# Altium PCB oysm_Keyboard.PcbDoc (part 1 of 2)
Units mm, origin at the board's own origin, x right, y up, seen from the top; angles counter-clockwise.
Board outline 76.2 x 76.28 mm, 2 copper layers (Top Layer, Bottom Layer); 115 components, 123 nets, 500 pads, 467 vias.
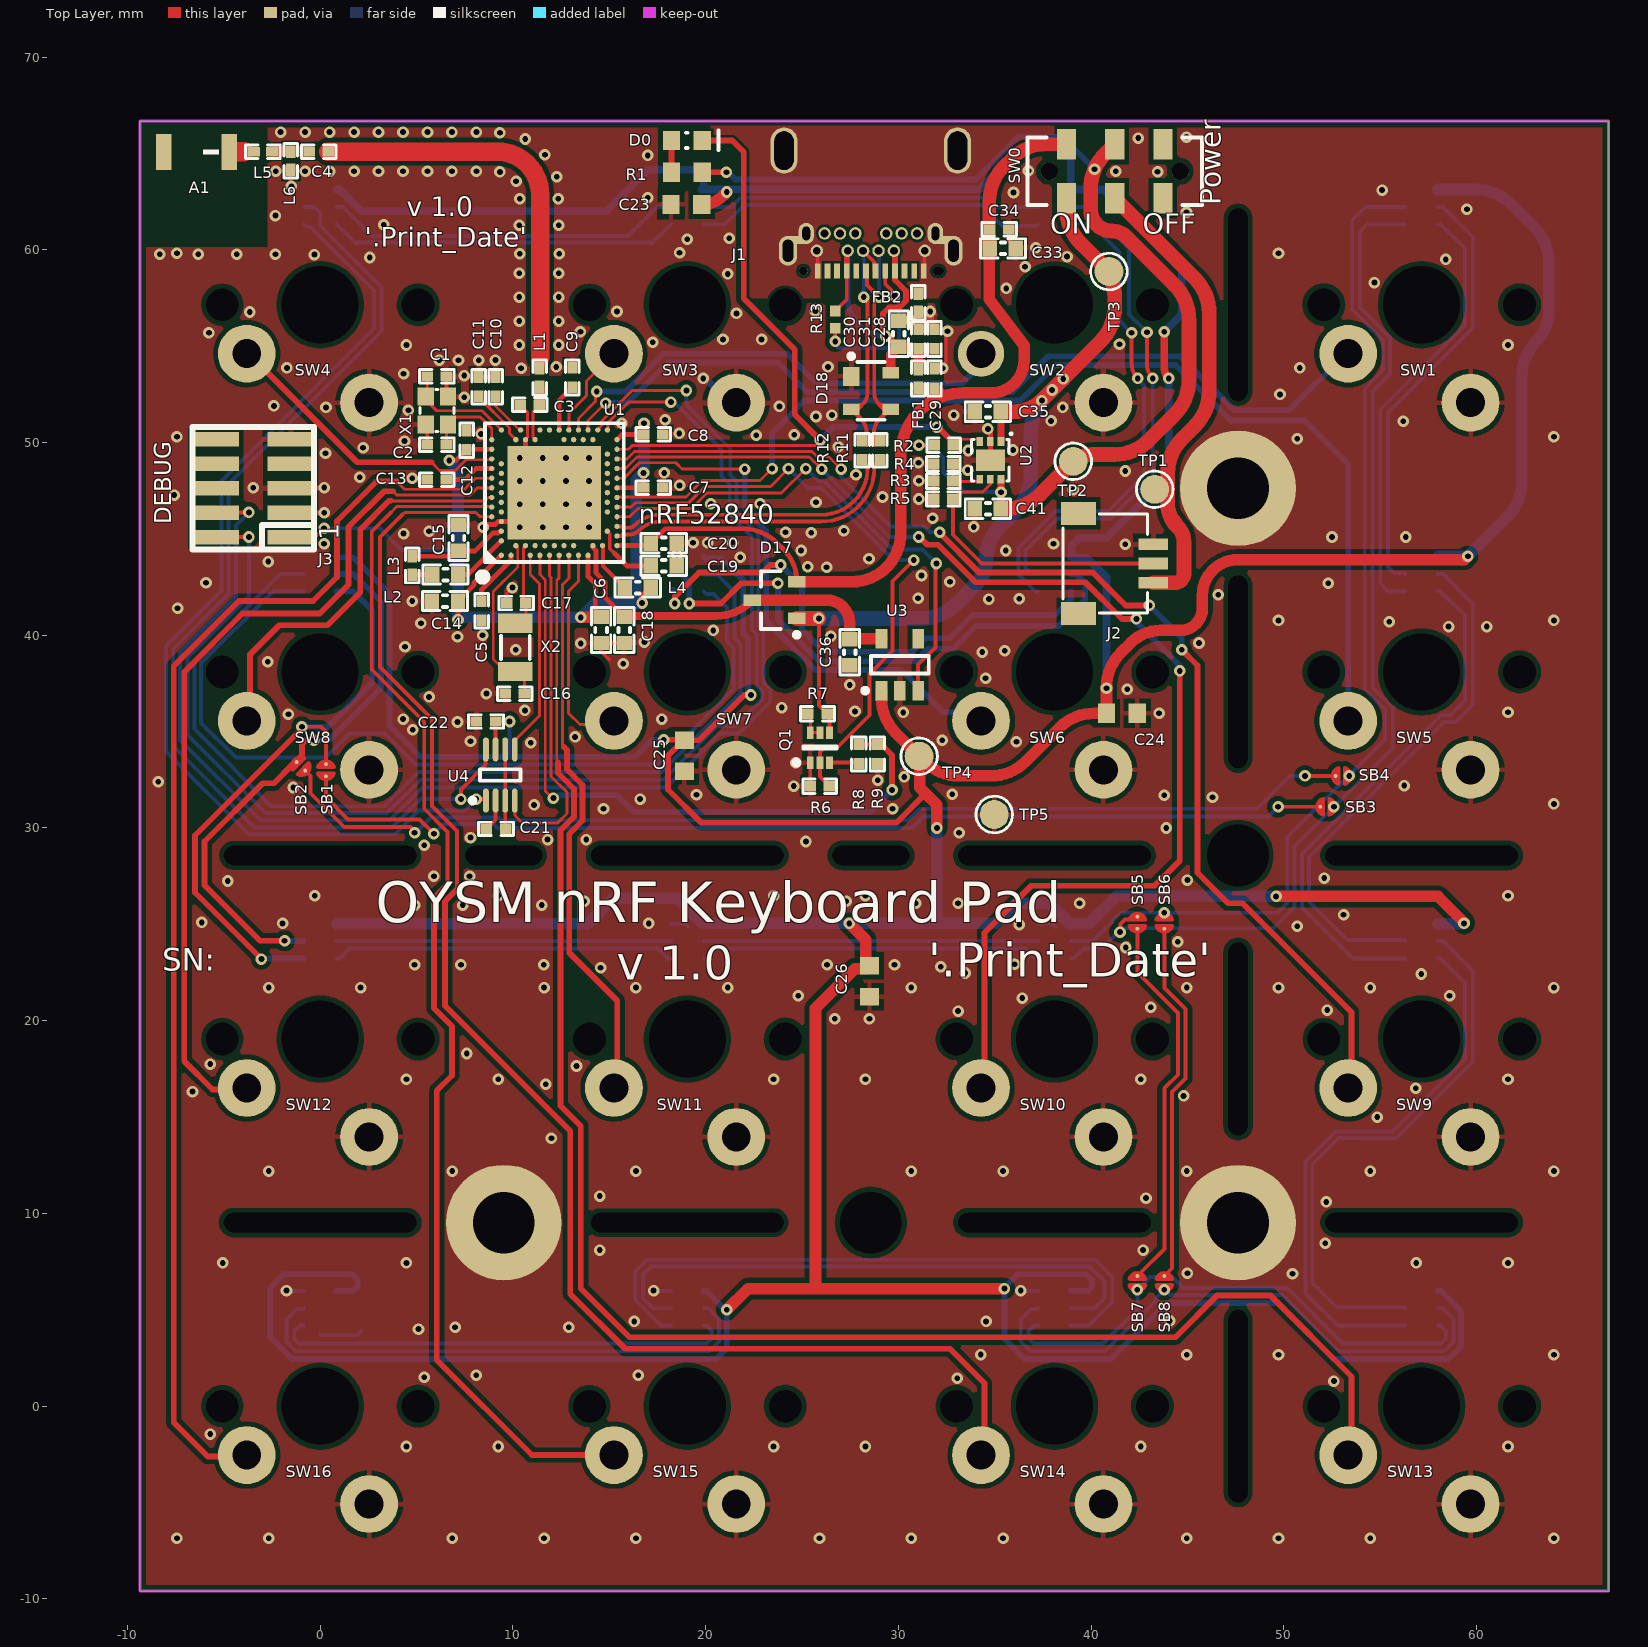
[diagram p0: Top Layer view]
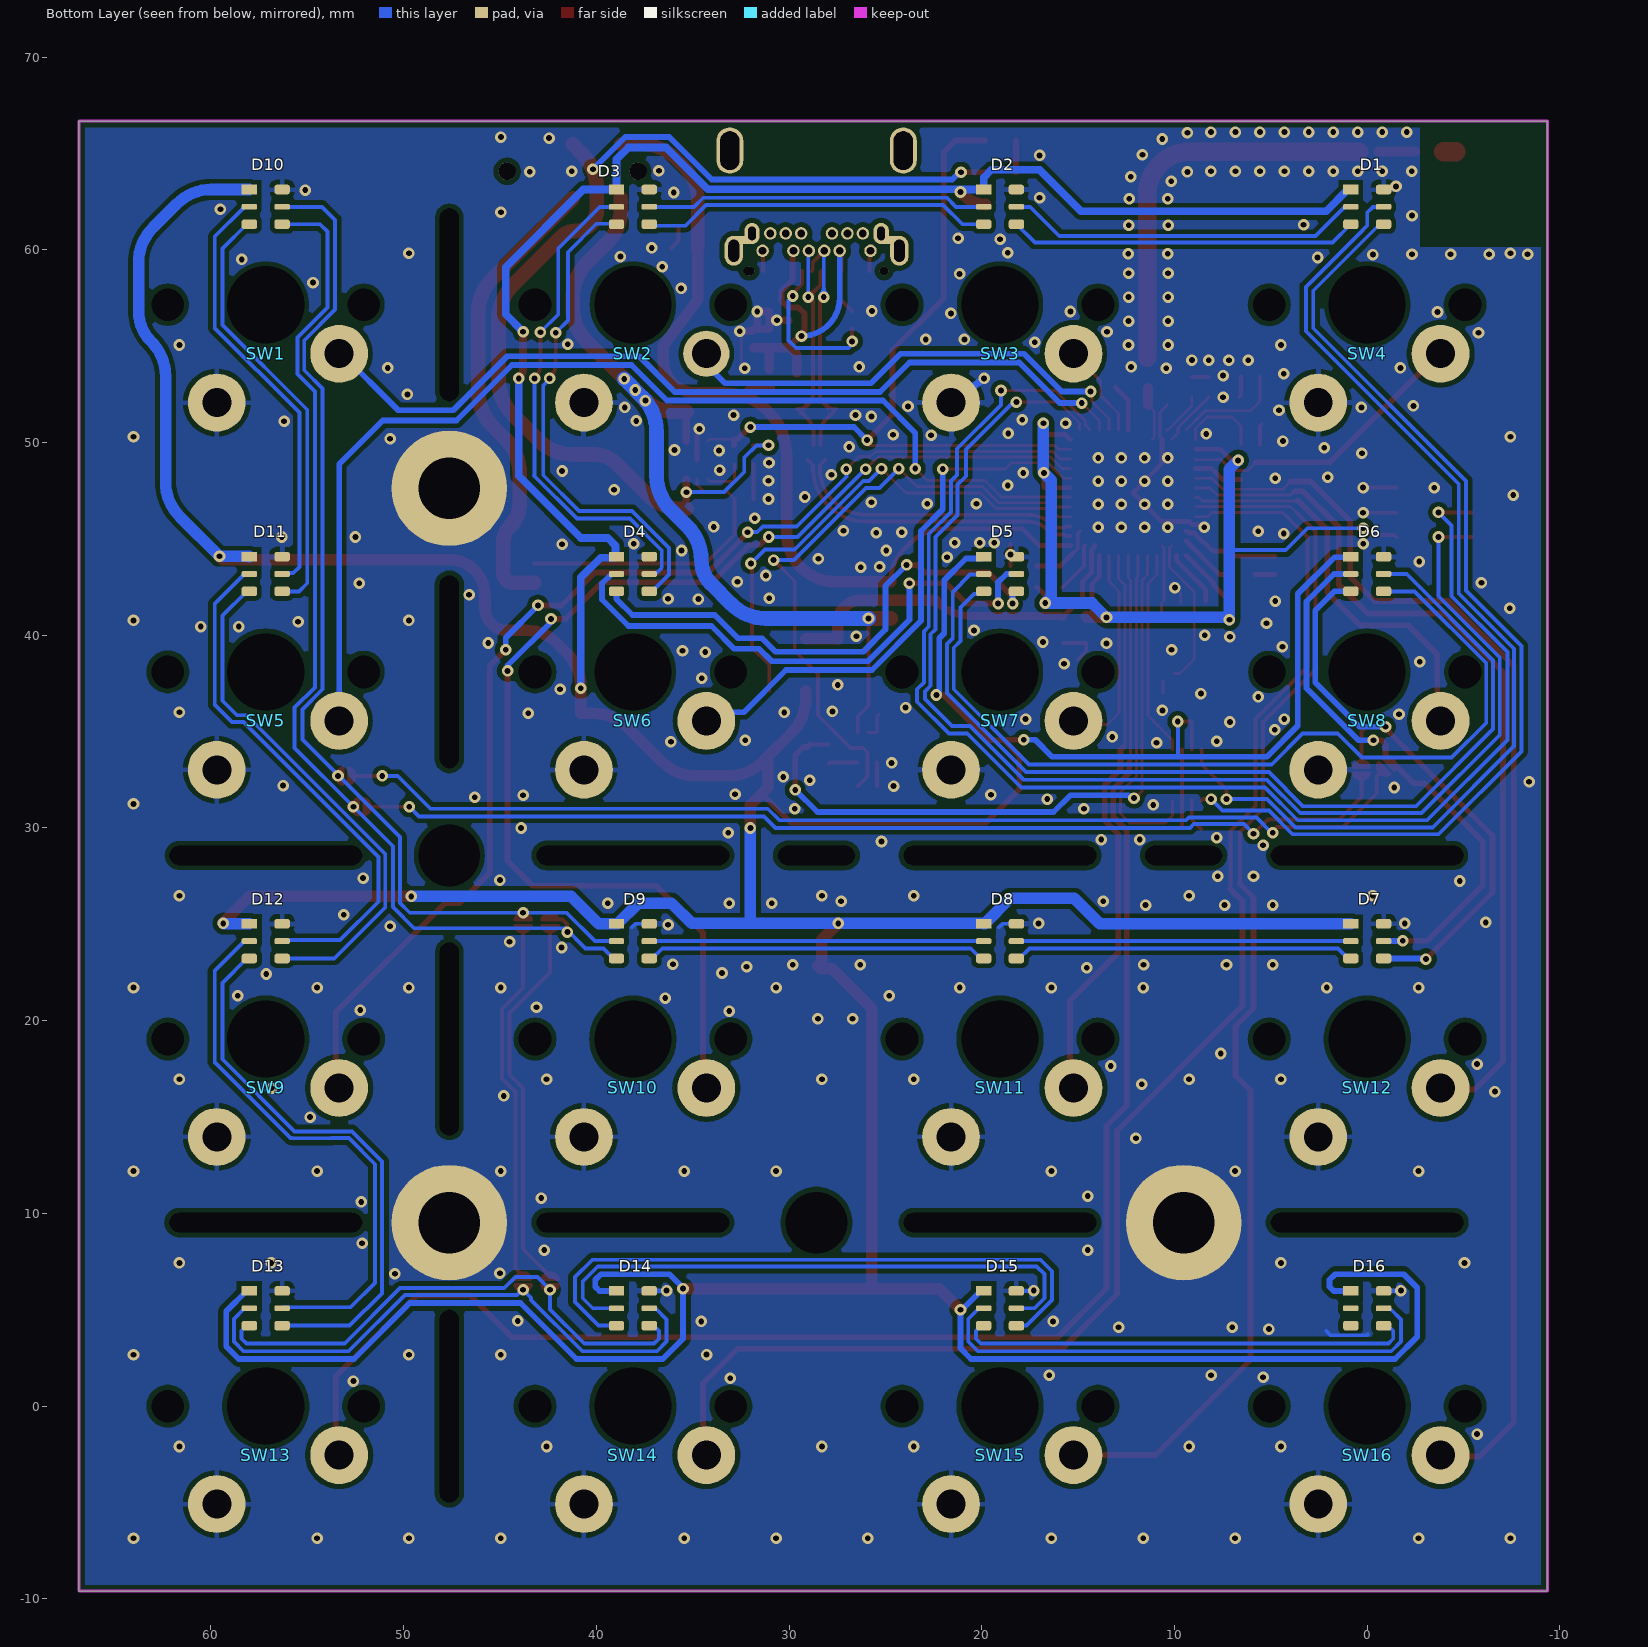
[diagram p1: Bottom Layer view, seen from below]
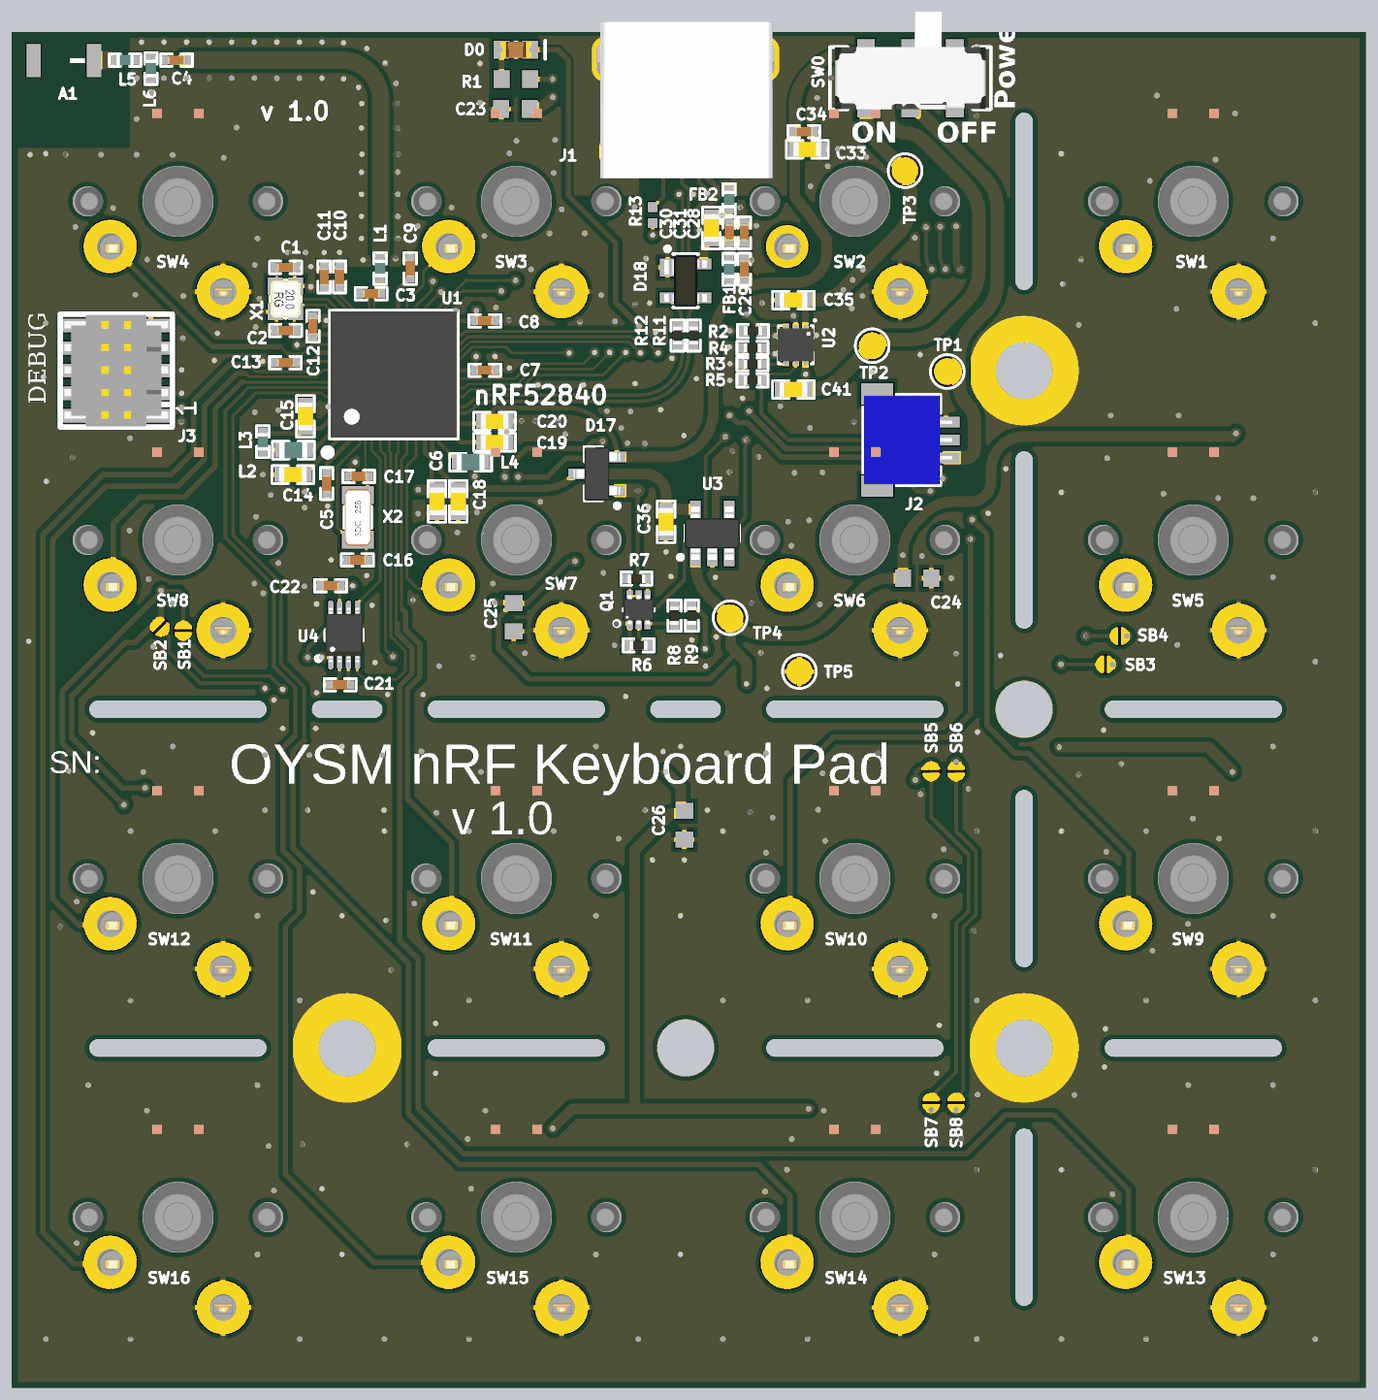
[diagram p3: 3D render of the assembled board from above, using the file's embedded part models]
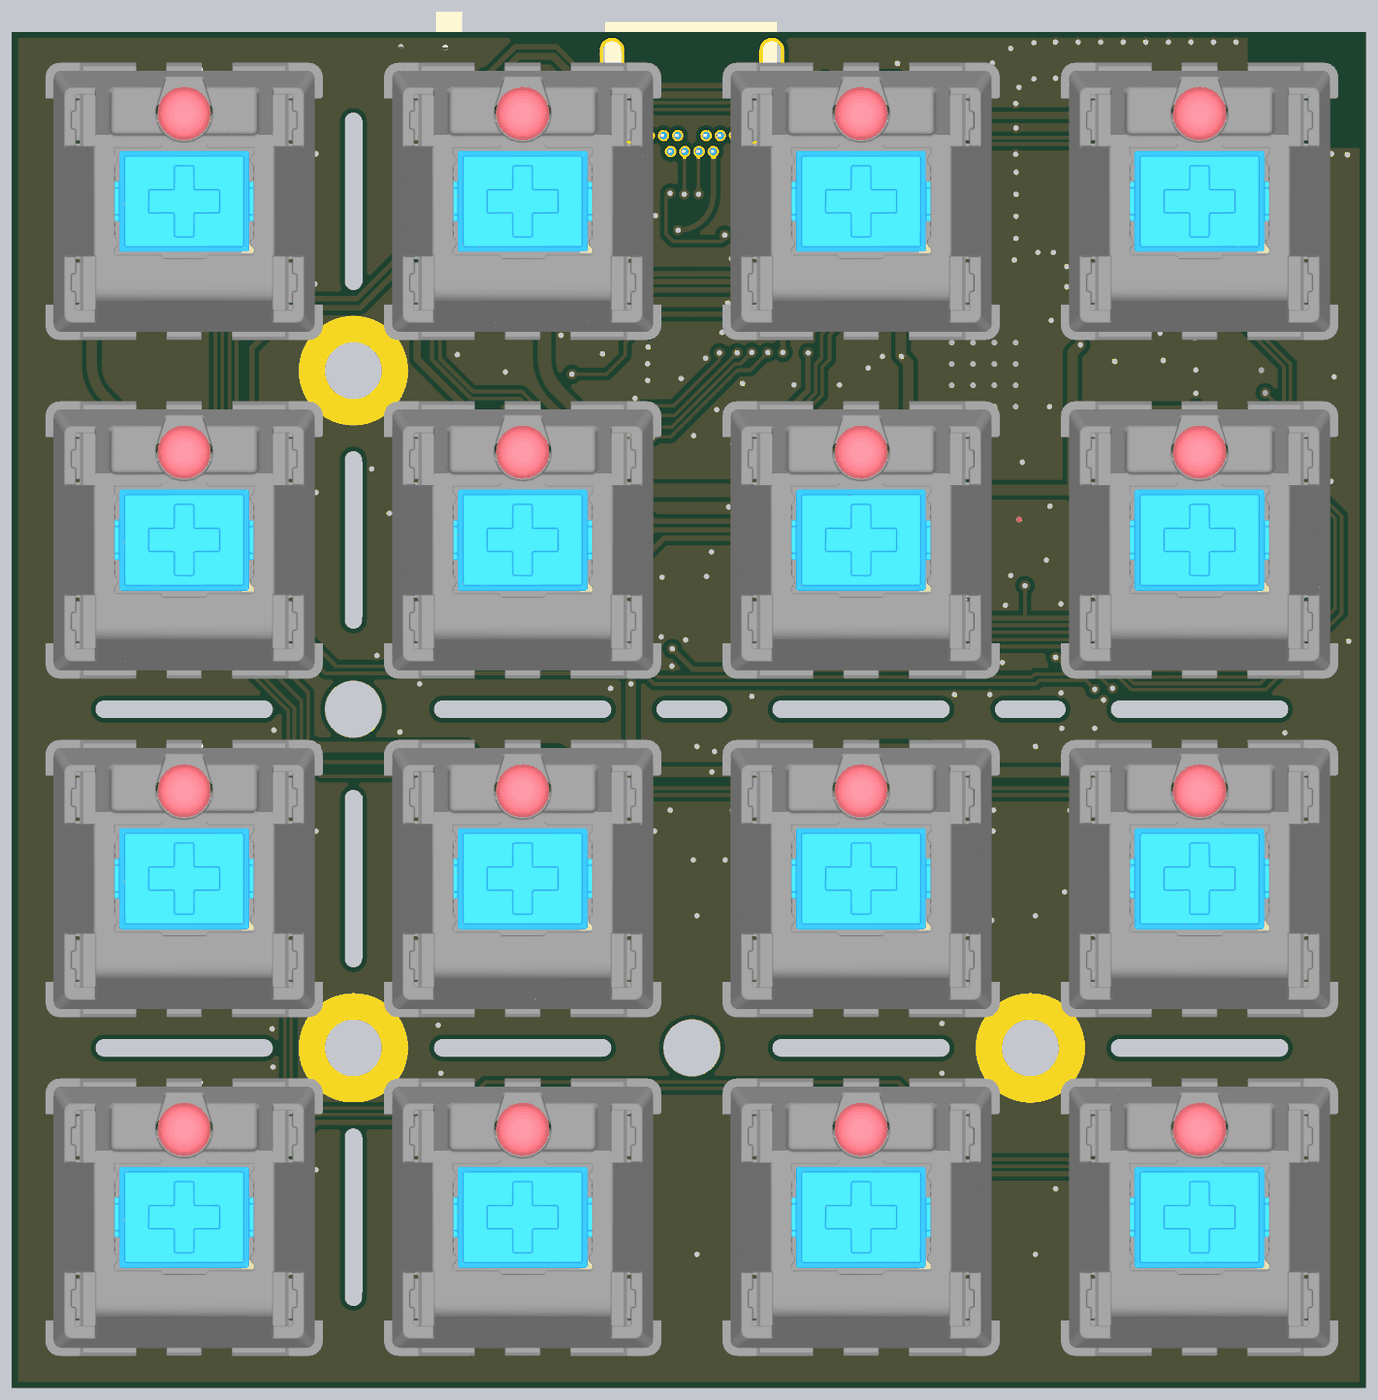
[diagram p4: 3D render of the assembled board from below, using the file's embedded part models]

## Layer stack, top to bottom
Top Solder: solder mask 0.0102, Solder Resist, Dk 3.5
Top Layer: signal copper 0.0356
Dielectric2: core 0.32, FR-4, Dk 4.8
Bottom Layer: signal copper 0.0356
Bottom Solder: solder mask 0.0102, Solder Resist, Dk 3.5

## Board outline
-9.35,-9.6 -9.35,66.675 66.85,66.675 66.85,-9.6

## Design rules (kind name [scope] priority, off if disabled: settings)
Clearance ANT_Clerance [InNet('ANT')] p1: gap=0.127 ignorepadtopadclearanceinfootprint=FALSE except(0: Arc-Hole Track-Hole SMDPad-Hole THPad-Hole Via-Hole Fill-Hole Poly-Hole Region-Hole Text-Hole)
Clearance Polygon_Clearance [(InNamedPolygon('Top_Layer-GND')) or (InNamedPolygon('Bottom_Layer-GND')) or (InNamedPolygon('Mid-Layer_1-GND')) or (InNamedPolygon('Mid-Layer_2-VDD'))] p2: gap=0.254 ignorepadtopadclearanceinfootprint=FALSE except(0: Arc-Hole Track-Hole SMDPad-Hole THPad-Hole Via-Hole Fill-Hole Poly-Hole Region-Hole Text-Hole)
Clearance Fanout_Clearance [OnLayer('Top Layer')] p3: gap=0.145 ignorepadtopadclearanceinfootprint=FALSE except(0: Arc-Hole Track-Hole SMDPad-Hole THPad-Hole Via-Hole Fill-Hole Poly-Hole Region-Hole Text-Hole)
Clearance [All] p4: gap=0.15 ignorepadtopadclearanceinfootprint=FALSE except(0: Arc-Hole Track-Hole SMDPad-Hole THPad-Hole Via-Hole Fill-Hole Poly-Hole Region-Hole Text-Hole)
ComponentClearance [All] p1 off: gap=0.254 collisioncheckmode=3 verticalgap=0.254 showdistances=FALSE
DiffPairsRouting [All] p1: maxlimit=0.15 minlimit=0.15 mostfreqgap=0.15 toplayer_minwidth=0.2 toplayer_maxwidth=0.2 toplayer_prefwidth=0.2 bottomlayer_minwidth=0.2 bottomlayer_maxwidth=0.2 bottomlayer_prefwidth=0.2 maxuncoupledlength=12.7
FabricationTestPointUsage TestPointUsage [All] p1: valid=0 allowmultiple=FALSE
FabricationTestpoint Testpoint [All] p1: side=3 testpointundercomponent=TRUE minsize=1.016 maxsize=2.54 preferedsize=1.524 minholesize=0 maxholesize=1.016 preferedholesize=0.813 testpointgrid=0.025 allowsidetop=TRUE allowsidebottom=TRUE usegrid=TRUE gridtolerance=0
Height [All] p1 off: minheight=0 maxheight=25.4 prefheight=12.7
HoleSize HoleSize_Blind_via [IsVia] p1: absolutevalues=TRUE maxlimit=0.3 minlimit=0.15 maxpercent=80.000 minpercent=20.000
HoleSize [All] p2: absolutevalues=TRUE maxlimit=30 minlimit=0.3 maxpercent=80.000 minpercent=20.000
MinimumAnnularRing [All] p1 off: minimumring=0.152
PolygonConnect PolygonConnect_via_gnd [isVia and innet(gnd)] p1: connectstyle=Direct reliefconductorwidth=0.254 reliefentries=4 polygonreliefangle="90 Angle" airgapwidth=0.254
PolygonConnect PolygonConnect_666 [innet(gnd) and HasPad('Free-666')] p2: connectstyle=Direct reliefconductorwidth=0.254 reliefentries=4 polygonreliefangle="90 Angle" airgapwidth=0.254
PolygonConnect PolygonConnect_USB_C_GND [innet('NetFB2_1')] p3: connectstyle=Direct reliefconductorwidth=0.254 reliefentries=4 polygonreliefangle="90 Angle" airgapwidth=0.254
PolygonConnect [All] p4: connectstyle=Relief reliefconductorwidth=0.254 reliefentries=4 polygonreliefangle="90 Angle" airgapwidth=0.254
RoutingVias [All] p1: holewidth=0.305 width=0.61 viastyle="Through Hole" minholewidth=0.3 minwidth=0.6 maxholewidth=0.711 maxwidth=1.27
SilkToSolderMaskClearance SilkscreenOverComponentPads [IsPad] p1: minsilkscreentomaskgap=0.254 clearancetoexposedcopper=TRUE
SolderMaskExpansion [All] p1: expansion=0.076
Width Fanout_Width [OnLayer('Top Layer')] p1: maxlimit=2.54 minlimit=0.145 preferedwidth=0.2
Width [All] p2: maxlimit=2.54 minlimit=0.15 preferedwidth=0.2
23 further rules are at their usual default settings.

## Classes and differential pairs
component class LEDs: C21 C22 C23 C24 C25 C26 D1 D2 D3 D4 D5 D6 D7 D8 D9 D10 D11 D12 D13 D14 D15 D16 SB1 SB2 SB3 SB4 SB5 SB6 SB7 SB8 U4
component class Buttons: SW1 SW2 SW3 SW4 SW5 SW6 SW7 SW8 SW9 SW10 SW11 SW12 SW13 SW14 SW15 SW16
component class MCU: A1 C1 C2 C3 C4 C5 C6 C7 C8 C9 C10 C11 C12 C13 C14 C15 C16 C17 C18 C19 C20 C28 C29 C30 C31 C? D18 FB1 FB2 J1 J3 L1 L2 L3 L4 L5 L6 R11 R12 R13 R? U1 X1 X2
component class Power: C33 C34 C35 C36 C41 C? D0 D17 D? J2 Q1 R1 R2 R3 R4 R5 R6 R7 R8 R9 SW0 TP1 TP2 TP3 TP4 TP5 U2 U3
differential pair D*: +D*_P -D*_N
differential pair D: +D_P -D_N

## Components (designator, comment, footprint, x,y, rotation, side; value= is the part's Value field where it differs from the comment)
A1 "2450AT18B100" 2450AT18B100 -6.425,65.075 r180 top
C1 "12pF" CAPC1005X04L 6.055,53.439 r0 top
C2 "12pF" CAPC1005X04L 6.055,49.883 r180 top
C3 "0.8pF" CAPC1005X04L 10.875,51.952 r0 top
C4 "2.2pF" CAPC1005X04L -0.074,65.095 r0 top
C5 "100nF" CAPC1005X04L 8.375,41.275 r270 top
C6 "4.7µF" CAPC1608X06L 14.575,40.275 r270 top
C7 "100nF" CAPC1005X04L 17.275,47.65 r0 top
C8 "100nF" CAPC1005X04L 17.275,50.425 r0 top
C9 "N.C." CAPC1005X04L 13.075,53.375 r90 top
C10 "N.C." CAPC1005X04L 9.1,52.9 r270 top
C11 "100pF" CAPC1005X04L 8.225,52.9 r90 top
C12 "100nF" CAPC1005X04L 7.6,50.125 r90 top
C13 "N.C." CAPC1005X04L 6.05,48.075 r180 top
C14 "1.0µF" CAPC1608X06L 6.475,41.775 r180 top
C15 "1.0µF" CAPC1608X06L 7.175,45.05 r270 top
C16 "12pF" CAPC1005X04L 10.1,36.973 r0 top
C17 "12pF" CAPC1005X04L 10.175,41.675 r0 top
C18 "4.7µF" CAPC1608X06L 15.775,40.275 r270 top
C19 "4.7µF" CAPC1608X06L 17.825,43.6 r0 top
C20 "4.7µF" CAPC1608X06L 17.825,44.775 r0 top
C21 "100nF" CAPC1005X04L 9.125,29.95 r0 top
C22 "100nF" CAPC1005X04L 8.6,35.525 r0 top
C23 "100nF" CAPC0603(1608)55_N 19,62.35 r0 top
C24 "100nF" CAPC0603(1608)55_N 41.6,35.95 r180 top
C25 "100nF" CAPC0603(1608)55_N 18.9,33.75 r90 top
C26 "100nF" CAPC0603(1608)55_N 28.5,22.05 r90 top
C28 "10nF" CAPC1005X04L 31.875,55.375 r270 top
C29 "100nF" CAPC1005X04L 31.875,53.325 r270 top
C30 "10µF" CAPC1608X06L 30.025,55.65 r270 top
C31 "100nF" CAPC1005X04L 31.025,55.375 r270 top
C33 "10µF" CAPC1608X06L 35.425,60.075 r0 top
C34 "100nF" CAPC1005X04L 35.225,61.075 r0 top
C35 "1.0µF" CAPC1608X06L 34.646,51.594 r0 top
C36 "10µF" CAPC1608X06L 27.475,39.125 r90 top
C41 "1.0µF" CAPC1608X06L 34.646,46.564 r0 top
D0 "SMD LED Red" I_LEDC0603(1608)_N 19.025,65.675 r0 top
D1 "APA102 2020" APA_RGB_LED_2020 0,62.23 r180 bottom
D2 "APA102 2020" APA_RGB_LED_2020 19.05,62.23 r180 bottom
D3 "APA102 2020" APA_RGB_LED_2020 38.1,62.23 r180 bottom
D4 "APA102 2020" APA_RGB_LED_2020 38.1,43.18 r180 bottom
D5 "APA102 2020" APA_RGB_LED_2020 19.05,43.18 r180 bottom
D6 "APA102 2020" APA_RGB_LED_2020 0,43.18 r180 bottom
D7 "APA102 2020" APA_RGB_LED_2020 0,24.13 r180 bottom
D8 "APA102 2020" APA_RGB_LED_2020 19.05,24.13 r180 bottom
D9 "APA102 2020" APA_RGB_LED_2020 38.1,24.13 r180 bottom
D10 "APA102 2020" APA_RGB_LED_2020 57.15,62.23 r180 bottom
D11 "APA102 2020" APA_RGB_LED_2020 57.15,43.18 r180 bottom
D12 "APA102 2020" APA_RGB_LED_2020 57.15,24.13 r180 bottom
D13 "APA102 2020" APA_RGB_LED_2020 57.15,5.08 r180 bottom
D14 "APA102 2020" APA_RGB_LED_2020 38.1,5.08 r180 bottom
D15 "APA102 2020" APA_RGB_LED_2020 19.05,5.08 r180 bottom
D16 "APA102 2020" APA_RGB_LED_2020 0,5.08 r180 bottom
D17 "PMEG4005CT" SOT95P230X110-3N 23.575,41.825 r180 top
D18 "PRTR5V0U2X" SOT190P230X110-4L 28.575,52.68 r0 top
FB1 "120R/0.55A" INDC1005X04L 31.025,53.325 r270 top
FB2 "120R/0.55A" INDC1005X04L 31.025,57.25 r270 top
J1 "USB_TYPE_C" USB_TYPE_C_JST 25.07,58.9 r180 top
J2 "HDR-3, 1mm" SM03B-SRSS-TB 43.225,43.725 r270 top
J3 "Pin Header 2x5, 1.27mm" HDR_2x5-SMD-1.27mm-K -3.475,47.625 r90 top
L1 "3.3nH" INDC1005X04L 11.383,53.374 r90 top
L2 "10µH" INDC1608X06L 6.5,43.15 r0 top
L3 "15nH" INDC1005X04L 4.775,43.625 r270 top
L4 "10µH" INDC1608X06L 16.475,42.475 r180 top
L5 "3.9nH" INDC1005X04L -2.974,65.095 r180 top
L6 "N.C." INDC1005X04L -1.524,64.62 r270 top
Q1 "DMC2400UV" SOTFL50P162X60-6N 25.931,34.172 r90 top
R1 "1k" RESC0603(1608)_N 19.025,64.025 r0 top
R2 "10k" RESC1005X04L 32.36,49.855 r0 top
R3 "27k" RESC1005X04L 32.334,47.987 r180 top
R4 "15k" RESC1005X04L 32.334,48.901 r180 top
R5 "10k" RESC1005X04L 32.334,47.072 r180 top
R6 "1M0" RESC1005X04L 25.925,32.175 r180 top
R7 "1M0" RESC1005X04L 25.804,35.925 r180 top
R8 "1M5" RESC1005X04L 27.95,33.839 r90 top
R9 "180k" RESC1005X04L 28.915,33.839 r270 top
R11 "39R" RESC1005X04L 29.025,49.6 r90 top
R12 "39R" RESC1005X04L 28.125,49.6 r90 top
R13 "56k" RESC0402(1005)_L 26.725,56.375 r270 top
SB1 "Solderbridge" Solderbridge#1 0.3,33 r90 top
SB2 "Solderbridge" Solderbridge#2 -1,33.2 r135 top
SB3 "Solderbridge" Solderbridge#3 52.2,31.1 r180 top
SB4 "Solderbridge" Solderbridge#3 53,32.7 r180 top
SB5 "Solderbridge" Solderbridge#1 42.4,25.088 r90 top
SB6 "Solderbridge" Solderbridge#3 43.8,25.088 r90 top
SB7 "Solderbridge" Solderbridge#3 42.4,6.442 r90 top
SB8 "Solderbridge" Solderbridge#3 43.8,6.442 r90 top
SW0 "Switch" Switch-Slide-RA-J-Lead-DPDT-8.5x3.5mm 41.225,64.075 r180 top
SW1 "Kailh SW" Kailh_Mechanical_Key#1 57.15,57.15 r0 bottom locked
SW2 "Kailh SW" Kailh_Mechanical_Key#2 38.1,57.15 r0 bottom locked
SW3 "Kailh SW" Kailh_Mechanical_Key#1 19.05,57.15 r0 bottom locked
SW4 "Kailh SW" Kailh_Mechanical_Key#1 0,57.15 r0 bottom locked
SW5 "Kailh SW" Kailh_Mechanical_Key#1 57.15,38.1 r0 bottom locked
SW6 "Kailh SW" Kailh_Mechanical_Key#1 38.1,38.1 r0 bottom locked
SW7 "Kailh SW" Kailh_Mechanical_Key#1 19.05,38.1 r0 bottom locked
SW8 "Kailh SW" Kailh_Mechanical_Key#1 0,38.1 r0 bottom locked
SW9 "Kailh SW" Kailh_Mechanical_Key#1 57.15,19.05 r0 bottom locked
SW10 "Kailh SW" Kailh_Mechanical_Key#1 38.1,19.05 r0 bottom locked
SW11 "Kailh SW" Kailh_Mechanical_Key#1 19.05,19.05 r0 bottom locked
SW12 "Kailh SW" Kailh_Mechanical_Key#1 0,19.05 r0 bottom locked
SW13 "Kailh SW" Kailh_Mechanical_Key#1 57.15,0 r0 bottom locked
SW14 "Kailh SW" Kailh_Mechanical_Key#1 38.1,0 r0 bottom locked
SW15 "Kailh SW" Kailh_Mechanical_Key#1 19.05,0 r0 bottom locked
SW16 "Kailh SW" Kailh_Mechanical_Key#1 0,0 r0 bottom locked
TP1 "Ø1.5mm,SMD" TP_SMD_Ø1.5mm 43.3,47.575 r0 top
TP2 "Ø1.5mm,SMD" TP_SMD_Ø1.5mm 39.075,49.025 r0 top
TP3 "Ø1.5mm,SMD" TP_SMD_Ø1.5mm 40.925,58.875 r0 top
TP4 "Ø1.5mm,SMD" TP_SMD_Ø1.5mm 31.075,33.725 r0 top
TP5 "Ø1.5mm,SMD" TP_SMD_Ø1.5mm 34.975,30.7 r0 top
U1 "nRF52840-QIAA" AQFN50P700X700X85_HS-74N 12.15,47.4 r90 top locked
U2 "XC6804A4E1" USP-6EL 34.773,49.079 r270 top
U3 "TCK106AF" SOT95P280X140-5N 30.075,38.475 r90 top
U4 "TXS0102DCUR" TSSOP50P310X90-8N 9.35,32.75 r90 top
X1 "32MHz" BT-XTAL_2016 6.055,51.661 r270 top
X2 "32.768kHz" XTAL_3215 10.125,39.373 r90 top
